# KiCad board teensy_arena_12-12.kicad_pcb (continued)
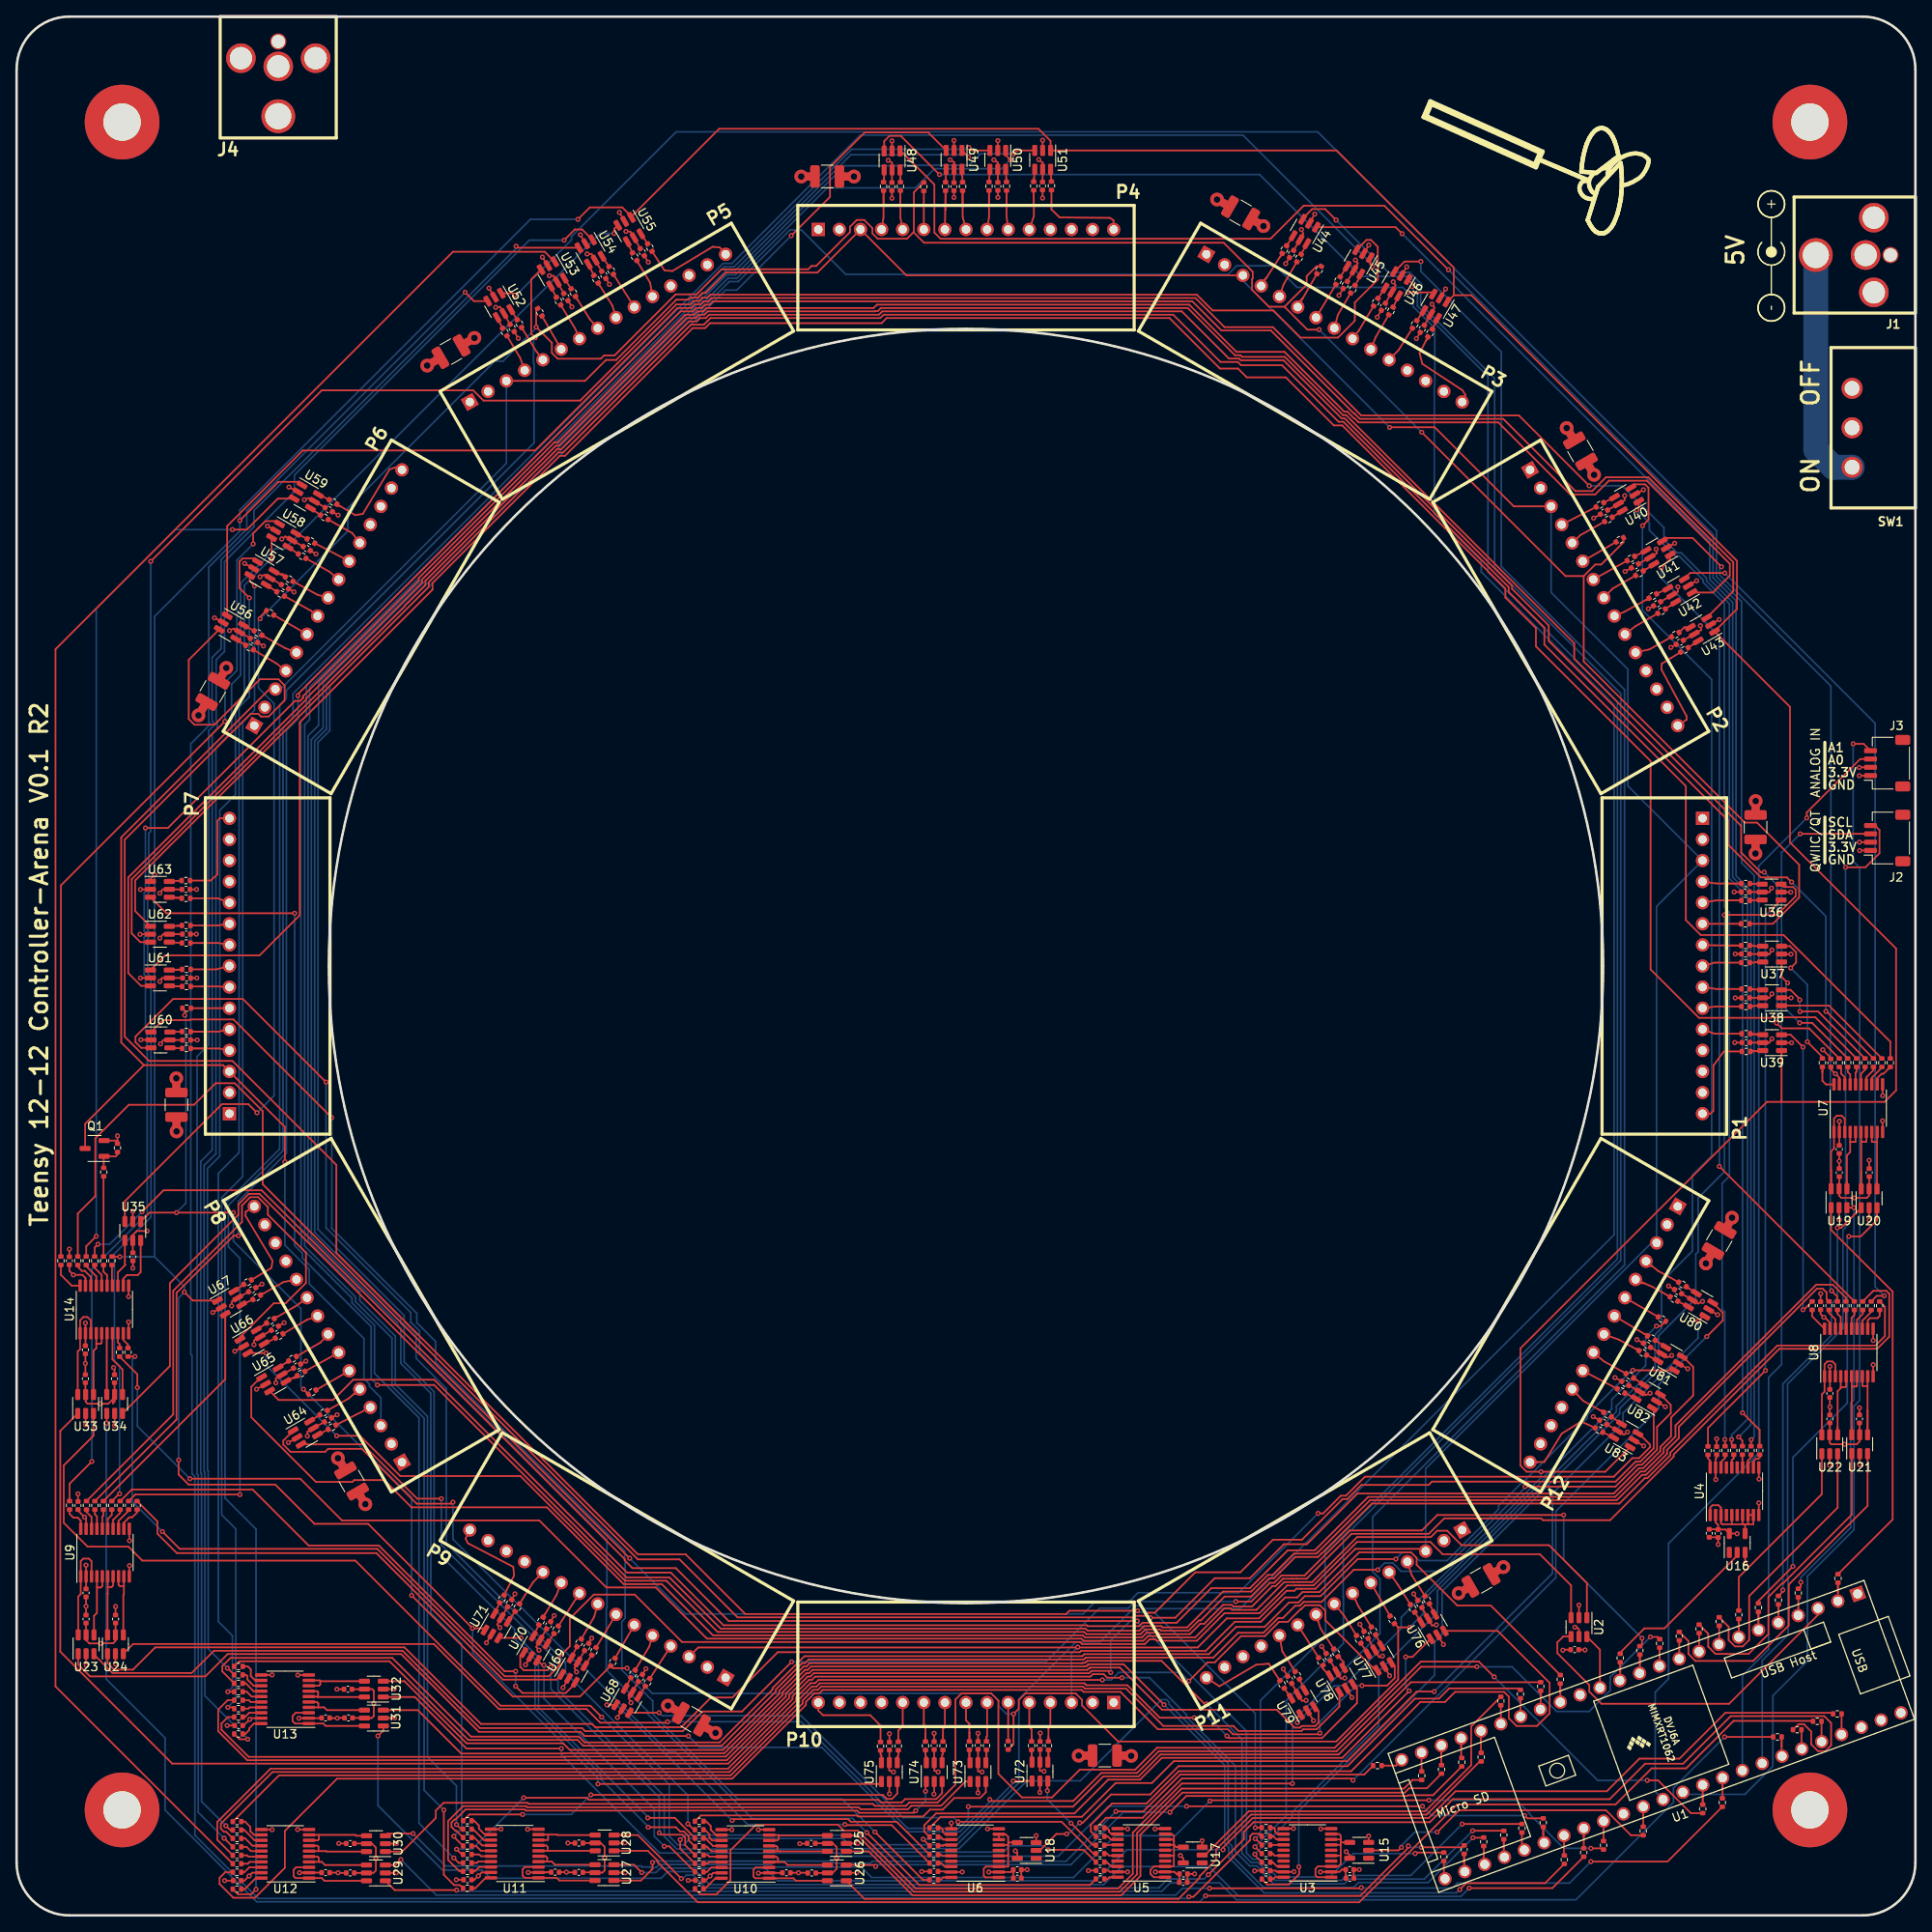
[diagram p0: board, top side]
## Routing (per net, layer and track width the routed paths; a pad name or vN(x,y) marks a point on that pad's centre or on a via; arc(x,y) is an arc through that point) (continued)
Net-(U14-A1): length 12.2
  Top w0.2: U33.6 7.36,67.89 7.64,68.17 U14.1 7.64,71.65 8.03,72.03 8.53,72.03 8.94,71.63 U14.3
Net-(U14-A3): length 9.4
  Top w0.2: 9.59,68.81 10.11,68.81 10.24,68.94 U14.5 ; 9.59,68.81 U14.4 ; 9.59,68.81 9.59,68.29 9.26,67.96 U33.4
Net-(U14-A5): length 7.4
  Top w0.2: U14.6 10.85,70.05 U34.6
Net-(U14-A6): length 7.9
  Top w0.2: U34.4 12.75,65.73 11.54,66.94 U14.7
Net-(U14-A7): length 1.9
  Top w0.2: U14.8 12.19,68.99 12.4,68.78 R125.2
Net-(U14-A8): length 2
  Top w0.2: U14.9 12.84,69.28 13.41,68.71 R126.2
Net-(U14-B1): length 4
  Top w0.2: R119.2 5.33,77.11 6.63,75.82 U14.20
Net-(U14-B2): length 3.4
  Top w0.2: R120.2 7.37,78.08 7.85,77.6 8.2,77.6 8.94,76.86 U14.18
Net-(U14-B3): length 3
  Top w0.2: U14.17 9.59,76.95 8.38,78.16 R121.2
Net-(U14-B4): length 2.8
  Top w0.2: U14.16 10.24,77.11 9.4,77.95 R122.2
Net-(U14-B5): length 2.7
  Top w0.2: U14.15 10.89,77.07 10.46,77.5 R123.2
Net-(U14-B6): length 2.6
  Top w0.2: 11.51,75.85 11.51,75.85 U14.14 11.51,75.85 ; 11.51,75.85 11.48,75.88 R124.2
Net-(U14-B7): length 5.8
  Top w0.2: U35.4 13.04,78.35 13.08,78.31 12.19,77.42 U14.13
Net-(U14-B8): length 7.1
  Top w0.2: U35.6 14.94,77.45 14.58,77.09 13.28,77.09 12.84,76.65 U14.12

## Copper pours and planes (outline as drawn; the poured copper is in the pictures)
+3.3V on In3.Cu: 1.27,6.35 6.35,1.27 222.25,1.27 227.33,6.35 227.33,222.25 222.25,227.33 6.35,227.33 1.27,222.25
+5V on In2.Cu: 1.27,222.25 1.27,6.35 6.35,1.27 222.25,1.27 227.33,6.35 227.33,222.25 222.25,227.33 6.35,227.33
GND on In1.Cu: 1.27,222.25 1.27,6.35 6.35,1.27 222.25,1.27 227.33,6.35 227.33,222.25 222.25,227.33 6.35,227.33
GND on In4.Cu: 6.35,1.27 222.25,1.27 227.33,6.35 227.33,222.25 222.25,227.33 6.35,227.33 1.27,222.25 1.27,6.35

## Text on the board
F.Silkscreen: ANALOG IN | QWIIC/QT | A1 | A0 | 3.3V | GND | SCL | SDA | 5V | ON    OFF | Teensy 12-12 Controller-Arena V0.1 R2
